# Altium PCB sFMC-98_s3f.PcbDoc (part 1 of 2)
Units mil, origin at the board's own origin, x right, y up, seen from the top; angles counter-clockwise.
Board outline 3125 x 1929.13 mil, 2 copper layers (Top Layer, Bottom Layer); 80 components, 111 nets, 443 pads, 206 vias.
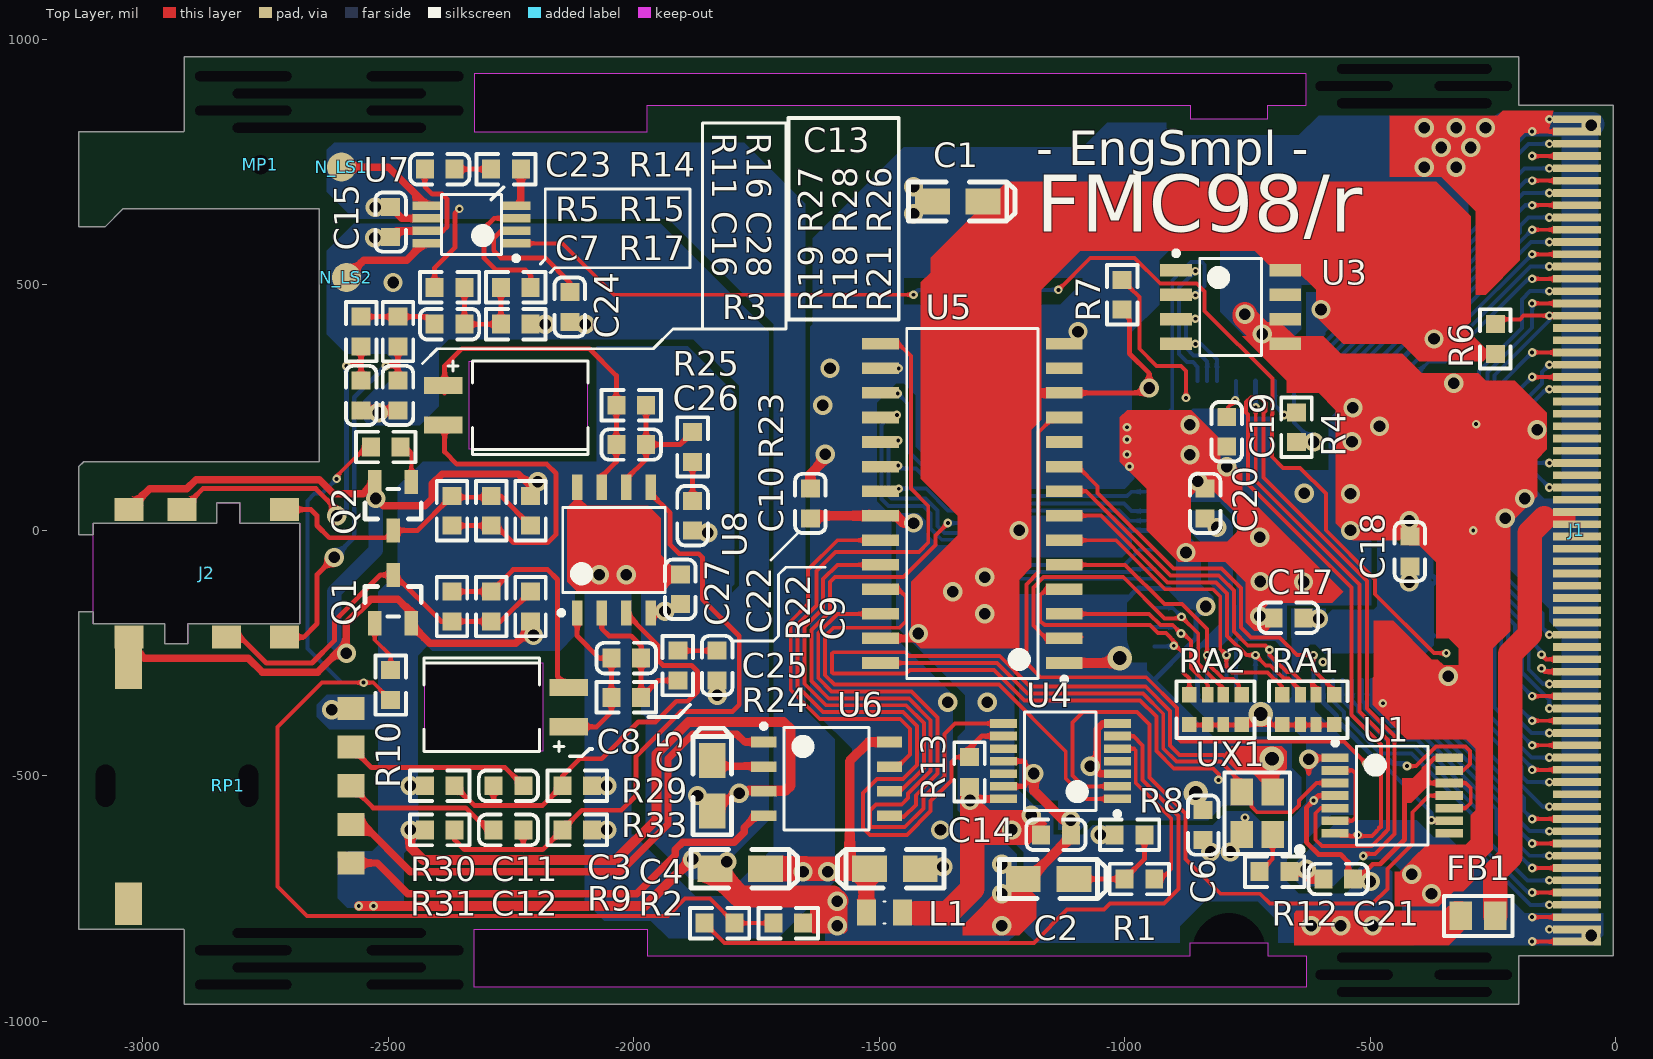
[diagram p0: Top Layer view]
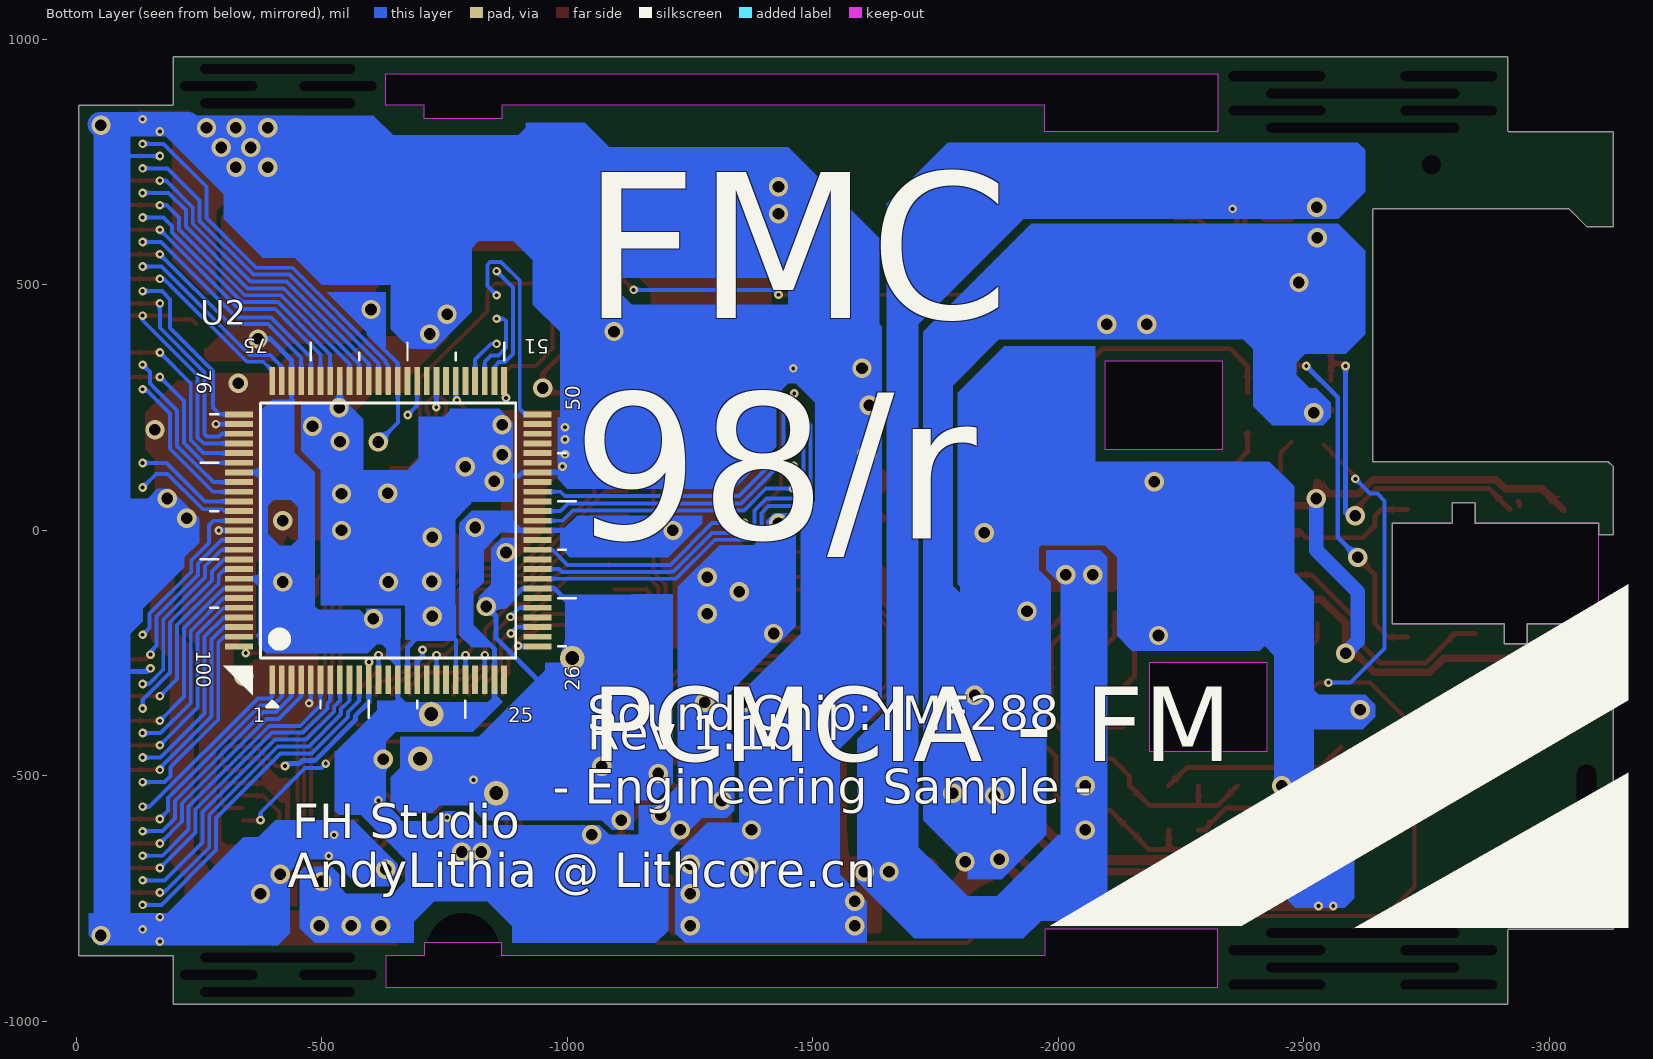
[diagram p1: Bottom Layer view, seen from below]
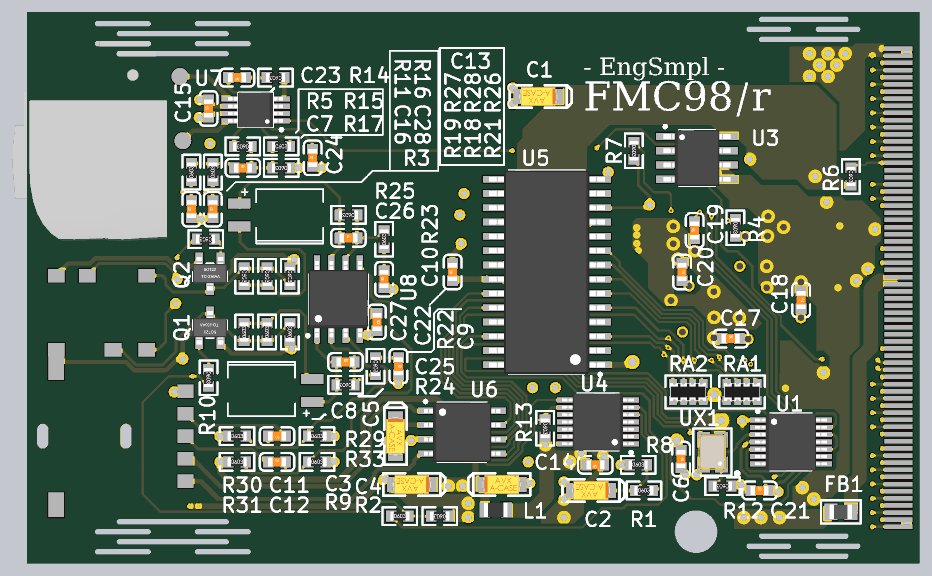
[diagram p3: 3D render of the assembled board from above, using the file's embedded part models]

## Layer stack, top to bottom
Top Solder: solder mask 0.4, Solder Resist, Dk 3.5
Top Layer: signal copper 1.4
Dielectric 1: dielectric 12.6, FR-4, Dk 4.8
Bottom Layer: signal copper 1.4
Bottom Solder: solder mask 0.4, Solder Resist, Dk 3.5

## Board outline
-3130,-406 -3130,-166.1 -3100.98,-166.1 -3100.98,-189.72 -2955.32,-189.72 -2955.32,-231.06 -2908.07,-231.06 -2908.07,-189.72 -2679.72,-189.72 -2679.72,15 -2801.77,15 -2801.77,56.34 -2849.02,56.34 -2849.02,15 -3100.98,15 -3100.98,-8.62 -3130,-8.62 -3130,130 -3120,140 -2640,140 -2640,655 -3040,655 -3076.77,618.23 -3130,618.23 -3130,812.01 -2917.01,812.01 -2915,814.02 -2915,964.57 -196.85,964.57 -196.85,866.14 -5,866.14 -5,-866.14 -196.85,-866.14 -196.85,-964.57 -2915,-964.57 -2915,-814.02 -2917.01,-812.01 -3130,-812.01
cut-out: -2849.02,15 -2849.02,56.34 -2801.77,56.34 -2801.77,15 -2679.72,15 -2679.72,-189.72 -2908.07,-189.72 -2908.07,-231.06 -2955.32,-231.06 -2955.32,-189.72 -3100.98,-189.72 -3100.98,15
cut-out: -2324.45,-930 -2324.45,-812.01 -1972.44,-812.01 -1972.44,-866.14 -866.14,-866.14 -866.14,-840 -708.66,-840 -708.66,-866.14 -630,-866.14 -630,-930
cut-out: -2324.45,930 -2324.45,812.01 -1972.44,812.01 -1972.44,866.14 -866.14,866.14 -866.14,838.58 -708.66,838.58 -708.66,866.14 -630,866.14 -630,930
cut-out: -2095,165 -2335,165 -2335,345 -2095,345
cut-out: -2425,-270 -2185,-270 -2185,-450 -2425,-450

## Design rules (kind name [scope] priority, off if disabled: settings)
Clearance [All] p1: gap=6 ignorepadtopadclearanceinfootprint=FALSE except(0: Arc-Hole Track-Hole SMDPad-Hole THPad-Hole Via-Hole Fill-Hole Poly-Hole Region-Hole Text-Hole)
PolygonConnect [All] p1: connectstyle=Relief reliefconductorwidth=10 reliefentries=4 polygonreliefangle="90 Angle" airgapwidth=10
RoutingVias [All] p1: holewidth=28 width=50 viastyle="Through Hole" minholewidth=28 minwidth=50 maxholewidth=28 maxwidth=50
SolderMaskExpansion [All] p1: expansion=4
Width [All] p1: maxlimit=50 minlimit=4 preferedwidth=8 minimp=50.000000 maximp=50.000000 favimp=50.000000
30 further rules are at their usual default settings.

## Components (designator, comment, footprint, x,y, rotation, side; value= is the part's Value field where it differs from the comment)
C1 "10uF (106) ±10% 16V" CASE-A_3216 -1340,670 r0 top
C2 "10uF (106) ±10% 16V" CASE-A_3216 -1155,-710 r0 top
C3 "10uF (106) ±10% 16V" CASE-A_3216 -1783,-689 r0 top
C4 "10uF (106) ±10% 16V" CASE-A_3216 -1468,-689 r180 top
C5 "10uF (106) ±10% 16V" CASE-A_3216 -1840,-520 r90 top
C6 "100nF (104) 10% 50V" 0603_C -840,-600 r270 top
C7 "47nF (473) 10% 50V" 0603_C -2375,420 r0 top
C8 "Cap Elec" C-RB-4_5MM_Cutout -2202.13,-360 r180 top value=10uF
C9 "100nF (104) 10% 50V" 0603_C -1830,-275 r270 top
C10 "100nF (104) 10% 50V" 0603_C -1880,30 r90 top
C11 "470nF (474) 10% 25V" 0603_C -2255,-520 r180 top
C12 "470nF (474) 10% 25V" 0603_C -2255,-610 r0 top
C13 "Cap Elec" C-RB-4_5MM_Cutout -2317.87,255 r0 top value=10uF
C14 "100nF (104) 10% 50V" 0603_C -1140,-620 r180 top
C15 "1uF (105) 10% 50V" 0603_C -2495,628 r90 top
C16 "100nF (104) 10% 50V" 0603_C -2555,275 r90 top
C17 "100nF (104) 10% 50V" 0603_C -666,-178 r0 top
C18 "100nF (104) 10% 50V" 0603_C -419,-43 r270 top
C19 "100nF (104) 10% 50V" 0603_C -792,201 r90 top
C20 "100nF (104) 10% 50V" 0603_C -836,55 r270 top
C21 "100nF (104) 10% 50V" 0603_C -565,-710 r0 top
C22 "100nF (104) 10% 50V" 0603_C -1640,55 r90 top
C23 "100nF (104) 10% 50V" 0603_C -2395,735.75 r180 top
C24 "1uF (105) 10% 50V" 0603_C -2130,455 r90 top
C25 "100nF (104) 10% 50V" 0603_C -2015,-260 r0 top
C26 "100nF (104) 10% 50V" 0603_C -2005,175 r0 top
C27 "100nF (104) 10% 50V" 0603_C -1905,-120 r270 top
C28 "100nF (104) 10% 50V" 0603_C -2480,275 r90 top
FB1 "100Ω ±25% 100MHz" 0805_L -280,-785 r180 top
J1 "PCMCIA Connector" PCF-SMT-K1 0,0 r270 top locked
J2 "PJK-242S-C" PJK-242S-C -3100.98,-87.36 r0 top
L1 "Bead" L2012X10N_LQW21 -1489,-778 r0 top value=1
MP1 "Speaker Mechanical" ZT097 -2640,135 r90 top
N_LS1 "PAD" Pad -2595,740 r90 top
N_LS2 "PAD" Pad -2585,515 r90 top
Q1 "C945" SOT-23(SOT-23-3) -2490,-140 r270 top
Q2 "C945" SOT-23(SOT-23-3) -2490,49.21 r90 top
R1 "10KΩ (1002) ±1%" 0603_R -970,-710 r0 top
R2 "4.7KΩ (4701) ±1%" 0603_R -1685,-800 r180 top
R3 "10KΩ (1002) ±1%" 0603_R -2505,170 r180 top
R4 "10KΩ (1002) ±1%" 0603_R -650,210 r270 top
R5 "20KΩ (2002) ±1%" 0603_R -2375,495 r180 top
R6 "10KΩ (1002) ±1%" 0603_R -245,390 r270 top
R7 "10KΩ (1002) ±1%" 0603_R -1005,480 r270 top
R8 "47KΩ (4702) ±1%" 0603_R -990,-620 r0 top
R9 "4.7KΩ (4701) ±1%" 0603_R -1825,-800 r0 top
R10 "10KΩ (1002) ±1%" 0603_R -2495,-315 r270 top
R11 "1KΩ (1001) ±1%" 0603_R -2555,405 r90 top
R12 "Optional" 0603_R -694.53,-695 r180 top
R13 "10KΩ (1002) ±1%" 0603_R -1316,-492 r270 top
R14 "150KΩ (1503) ±1%" 0603_R -2260,735.75 r180 top
R15 "150KΩ (1503) ±1%" 0603_R -2240,495 r0 top
R16 "1KΩ (1001) ±1%" 0603_R -2480,405 r90 top
R17 "20KΩ (2002) ±1%" 0603_R -2240,420 r180 top
R18 "68Ω (68R0) ±1%" 0603_R -2290,-155 r90 top
R19 "68Ω (68R0) ±1%" 0603_R -2370,-155 r90 top
R21 "47KΩ (4702) ±1%" 0603_R -2210,-155 r90 top
R22 "10KΩ (1002) ±1%" 0603_R -1910,-275.32 r270 top
R23 "10KΩ (1002) ±1%" 0603_R -1880,170 r90 top
R24 "22KΩ (2202) ±1%" 0603_R -2015,-340 r180 top
R25 "22KΩ (2202) ±1%" 0603_R -2005,255 r180 top
R26 "47KΩ (4702) ±1%" 0603_R -2210,40 r270 top
R27 "68Ω (68R0) ±1%" 0603_R -2370,40 r270 top
R28 "68Ω (68R0) ±1%" 0603_R -2290,40 r270 top
R29 "10KΩ (1002) ±1%" 0603_R -2115,-520 r0 top
R30 "10KΩ (1002) ±1%" 0603_R -2395,-520 r0 top
R31 "10KΩ (1002) ±1%" 0603_R -2395,-610 r0 top
R33 "10KΩ (1002) ±1%" 0603_R -2115,-610 r0 top
RA1 "10KΩ (103) ±5%" 0603_Rx4 -626,-365 r180 top
RA2 "10KΩ (103) ±5%" 0603_Rx4 -815,-365 r180 top
RP1 "RPot ALPS RK10J12R0052" RPot_RK10J12R_ALPS -2930,-520 r90 top
U1 "7474" TSSOP14_TSOP65P640X120-14N -455,-540 r0 top
U2 "Z86017/Z16017" VQFP100_TSQFP50P1600X1600X160-100N -635,0 r90 bottom locked
U3 "ST93C56_C57" "SOIC-8 NB" -784,455 r0 top
U4 "7404" TSSOP14_TSOP65P640X120-14N -1131,-470 r180 top
U5 "YMF288-M SOP28" SOP127P1030X265-28N -1310,55 r180 top locked
U6 "uPD6379A_AL" DMP8_SOIC127P680X175-8N -1607,-506 r0 top
U7 "NS4150" MS8 -2330,623 r180 top
U8 "NJM3414AD/AM/AV" DMP8_SOIC127P680X175-8N -2040,-40 r90 top
UX1 "Crystal OSC" SMD-3225_4P -730,-576 r90 top

## Footprints (in the part's own frame and the unit in brackets; to place one, negate y for a bottom-side part, rotate by r counter-clockwise, add the part's x,y. Pads: shape width x height; smd on the part's side, far side on the other; paste and mask are expansions set on the pad)
0603_C [mm]
  rect 0.93x0.98 smd: 1(-0.77,0) 2(0.77,0)
  silkscreen extent -1.53,-0.79 1.54,0.79, body extent -0.8,-0.4 0.8,0.4, height 0.3
0603_R [mm]
  rect 0.93x0.98 smd: 1(-0.77,0) 2(0.77,0)
  silkscreen extent -1.53,-0.79 1.54,0.79, body extent -0.85,-0.4 0.85,0.4, height 0.56
0603_Rx4 [mm]
  rect 0.75x0.8 smd mask+0.051: 1(-1.35,-0.77) 4(1.35,-0.77) 5(1.35,0.77) 8(-1.35,0.77)
  rect 0.58x0.8 smd mask+0.051: 2(-0.4,-0.77) 3(0.4,-0.77) 6(0.4,0.77) 7(-0.4,0.77)
  silkscreen extent -2.03,-1.47 2.03,1.47, body extent -1.6,-0.8 1.6,0.8, height 0.55
0805_L [mm]
  rect 1.16x1.47 smd: 1(-0.89,0) 2(0.89,0)
  silkscreen extent -1.77,-1.04 1.77,1.03, body extent -1.02,-0.64 1.03,0.64, height 0.6
C-RB-4_5MM_Cutout [mil]
  rect 78.74x35.04 smd: 1(-70,40) 2(-70,-40)
  silkscreen extent -60,-100 225,90, body extent -79,-79 197,79, height 79
CASE-A_3216 [mm]
  rect 1.8x1.35 smd: 1(1.31,0) 2(-1.31,0)
  silkscreen extent -2.54,-1 2.97,1, body extent -1.7,-0.84 1.7,0.84, height 1.71
DMP8_SOIC127P680X175-8N [mm] "SOIC, 8-Leads, Body 5.00x5.00mm, Pitch 1.27mm, IPC Medium Density"
  rect 1.3x0.55 smd: 1(-3.25,1.905) 2(-3.25,0.635) 3(-3.25,-0.635) 4(-3.25,-1.905) 5(3.25,-1.905) 6(3.25,-0.635) 7(3.25,0.635) 8(3.25,1.905)
  silkscreen extent -3.37,-2.65 2.2,2.85, body extent -3.4,-2.65 3.4,2.65, height 1.75
L2012X10N_LQW21 [mm] "Chip Inductor, 2-Leads, Body 2.00x1.20mm, IPC Medium Density, Murata LQW21 Series"
  rect 0.98x1.34 smd: 1(-0.94,0) 2(0.94,0)
  silkscreen extent -0.05,-0.57 0.05,0.57, body extent -1.05,-0.65 1.05,0.65, height 1
MS8 [mm] "8-Lead Plastic MSOP ( Reference LTC DWG # 05-08-1660 )"
  rect 1.5x0.45 smd: 1(-2.3,0.975) 2(-2.3,0.325) 3(-2.3,-0.325) 4(-2.3,-0.975) 5(2.3,-0.975) 6(2.3,-0.325) 7(2.3,0.325) 8(2.3,0.975)
  silkscreen extent -2.43,-1.55 1.55,1.87, body extent -2.44,-1.55 2.44,1.55, height 0.86
Pad [mm]
  round 1.5 smd: 1(0,0)
PCF-SMT-K1 [mm] "PCMCIA Female Single Side SMT"
  rect 0.4x2.5 smd: 1(-21.27,-2) 2(-20,-2) 3(-18.73,-2) 4(-17.46,-2) 5(-16.19,-2) 6(-14.92,-2) 7(-13.65,-2) 8(-12.38,-2) 9(-11.11,-2) 10(-9.84,-2) 11(-8.57,-2) 12(-7.3,-2) 13(-6.03,-2) 14(-4.76,-2) 15(-3.49,-2) 16(-2.22,-2) 17(-0.95,-2) 18(0.32,-2) 19(1.59,-2) 20(2.86,-2) 21(4.13,-2) 22(5.4,-2) 23(6.67,-2) 24(7.94,-2) 25(9.21,-2) 26(10.48,-2) 27(11.75,-2) 28(13.02,-2) 29(14.29,-2) 30(15.56,-2) 31(16.83,-2) 32(18.1,-2) 33(19.37,-2) 34(20.64,-2) 35(-20.635,-2) 36(-19.365,-2) 37(-18.095,-2) 38(-16.825,-2) 39(-15.555,-2) 40(-14.285,-2) 41(-13.015,-2) 42(-11.745,-2) 43(-10.475,-2) 44(-9.205,-2) 45(-7.935,-2) 46(-6.665,-2) 47(-5.395,-2) 48(-4.125,-2) 49(-2.855,-2) 50(-1.585,-2) 51(-0.315,-2) 52(0.955,-2) 53(2.225,-2) 54(3.495,-2) 55(4.765,-2) 56(6.035,-2) 57(7.305,-2) 58(8.575,-2) 59(9.845,-2) 60(11.115,-2) 61(12.385,-2) 62(13.655,-2) 63(14.925,-2) 64(16.195,-2) 65(17.465,-2) 66(18.735,-2) 67(20.005,-2) 68(21.27,-2)
  body extent -23.2,0 23.2,6, height 1.75
PJK-242S-C [mm]
  rect 1.5x1.2 smd: 1(1.85,-3.3) 3(9.9,3.3) 4(6.9,-3.3) 5(4.6,3.3) 6(9.9,-3.3)
  rect 1.5x1.2 smd mask+0.102: 2(1.85,3.3)
  body extent -1.5,-2.9 10.3,2.9, height 2.4
RPot_RK10J12R_ALPS [mm] "Surface Mount Rotary Potentiometer"
  rect 2.2x1.4 smd: 0(-6.1,2.5) 0(6.1,2.5)
  round 0 hole 1 slot 2.2 at 0 deg: 0(0,3.7) 0(0,-3.7)
  rect 1.2x1.4 smd: 1(-4,-9) 2(-2,-9) 3(0,-9) 4(2,-9) 5(4,-9)
  body extent -7,-8.5 7,7, height 2.5
SMD-3225_4P [mm]
  rect 1.4x1.15 smd: 1(-1.1,-0.8) 2(1.1,-0.8) 3(1.1,0.8) 4(-1.1,0.8)
  silkscreen extent -2.1,-2.35 2.1,1.7, body extent -1.6,-1.25 1.6,1.25, height 0.61
"SOIC-8 NB" [mm] "SOIC, 8-Leads, Body 4.90x3.90mm, Pitch 1.27mm, IPC Low Density"
  rect 1.65x0.65 smd: 1(-2.825,1.905) 2(-2.825,0.635) 3(-2.825,-0.635) 4(-2.825,-1.905) 5(2.825,-1.905) 6(2.825,-0.635) 7(2.825,0.635) 8(2.825,1.905)
  silkscreen extent -2.95,-2.5 1.6,2.9, body extent -3,-2.5 3,2.5, height 1.75
SOP127P1030X265-28N [mm] "SOP, 28-Leads, Body 17.90x7.50mm, Pitch 1.27mm, IPC Medium Density"
  rect 1.9x0.6 smd: 1(-4.75,8.255) 2(-4.75,6.985) 3(-4.75,5.715) 4(-4.75,4.445) 5(-4.75,3.175) 6(-4.75,1.905) 7(-4.75,0.635) 8(-4.75,-0.635) 9(-4.75,-1.905) 10(-4.75,-3.175) 11(-4.75,-4.445) 12(-4.75,-5.715) 13(-4.75,-6.985) 14(-4.75,-8.255) 15(4.75,-8.255) 16(4.75,-6.985) 17(4.75,-5.715) 18(4.75,-4.445) 19(4.75,-3.175) 20(4.75,-1.905) 21(4.75,-0.635) 22(4.75,0.635) 23(4.75,1.905) 24(4.75,3.175) 25(4.75,4.445) 26(4.75,5.715) 27(4.75,6.985) 28(4.75,8.255)
  silkscreen extent -4.88,-9.05 3.4,9.23, body extent -5.16,-9.05 5.16,9.05, height 2.65
SOT-23(SOT-23-3) [mm]
  rect 1.25x0.7 smd: 1(1.25,-0.95) 2(1.25,0.95) 3(-1.25,0)
  silkscreen extent -0.65,-1.46 0.9,1.46, body extent -1.5,-1.5 1.5,1.5, height 1.3
TSSOP14_TSOP65P640X120-14N [mm] "TSOP, 14-Leads, Body 5.00x4.40mm, Pitch 0.65mm, IPC Medium Density"
  rect 1.4x0.45 smd: 1(-2.95,1.95) 2(-2.95,1.3) 3(-2.95,0.65) 4(-2.95,0) 5(-2.95,-0.65) 6(-2.95,-1.3) 7(-2.95,-1.95) 8(2.95,-1.95) 9(2.95,-1.3) 10(2.95,-0.65) 11(2.95,0) 12(2.95,0.65) 13(2.95,1.3) 14(2.95,1.95)
  silkscreen extent -3.07,-2.55 1.85,2.85, body extent -3.2,-2.55 3.2,2.55, height 1.2
VQFP100_TSQFP50P1600X1600X160-100N [mm] "TSQFP, 100-Leads, Body 14.00x14.00mm, Pitch 0.50mm, IPC Medium Density"
  rect 1.45x0.3 smd: 1(-7.725,6) 2(-7.725,5.5) 3(-7.725,5) 4(-7.725,4.5) 5(-7.725,4) 6(-7.725,3.5) 7(-7.725,3) 8(-7.725,2.5) 9(-7.725,2) 10(-7.725,1.5) 11(-7.725,1) 12(-7.725,0.5) 13(-7.725,0) 14(-7.725,-0.5) 15(-7.725,-1) 16(-7.725,-1.5) 17(-7.725,-2) 18(-7.725,-2.5) 19(-7.725,-3) 20(-7.725,-3.5) 21(-7.725,-4) 22(-7.725,-4.5) 23(-7.725,-5) 24(-7.725,-5.5) 25(-7.725,-6) 51(7.725,-6) 52(7.725,-5.5) 53(7.725,-5) 54(7.725,-4.5) 55(7.725,-4) 56(7.725,-3.5) 57(7.725,-3) 58(7.725,-2.5) 59(7.725,-2) 60(7.725,-1.5) 61(7.725,-1) 62(7.725,-0.5) 63(7.725,0) 64(7.725,0.5) 65(7.725,1) 66(7.725,1.5) 67(7.725,2) 68(7.725,2.5) 69(7.725,3) 70(7.725,3.5) 71(7.725,4) 72(7.725,4.5) 73(7.725,5) 74(7.725,5.5) 75(7.725,6)
  rect 0.3x1.45 smd: 26(-6,-7.725) 27(-5.5,-7.725) 28(-5,-7.725) 29(-4.5,-7.725) 30(-4,-7.725) 31(-3.5,-7.725) 32(-3,-7.725) 33(-2.5,-7.725) 34(-2,-7.725) 35(-1.5,-7.725) 36(-1,-7.725) 37(-0.5,-7.725) 38(0,-7.725) 39(0.5,-7.725) 40(1,-7.725) 41(1.5,-7.725) 42(2,-7.725) 43(2.5,-7.725) 44(3,-7.725) 45(3.5,-7.725) 46(4,-7.725) 47(4.5,-7.725) 48(5,-7.725) 49(5.5,-7.725) 50(6,-7.725) 76(6,7.725) 77(5.5,7.725) 78(5,7.725) 79(4.5,7.725) 80(4,7.725) 81(3.5,7.725) 82(3,7.725) 83(2.5,7.725) 84(2,7.725) 85(1.5,7.725) 86(1,7.725) 87(0.5,7.725) 88(0,7.725) 89(-0.5,7.725) 90(-1,7.725) 91(-1.5,7.725) 92(-2,7.725) 93(-2.5,7.725) 94(-3,7.725) 95(-3.5,7.725) 96(-4,7.725) 97(-4.5,7.725) 98(-5,7.725) 99(-5.5,7.725) 100(-6,7.725)
  silkscreen extent -9.7,-9.7 9.7,9.7, body extent -8,-8 8,8, height 1.6
ZT097 [mil]
  round 0 hole 39.37 unplated: 0(610,120)
  body extent 0,0 738,541, height 39

## Part data
C1 C2 C3 C4 C5: library part "3216 10uF (106) 10% 16V", "钽电容", Package=3216, SuppliersPartNumber=C7171, ComponentLink1Description=¹©Ó, ComponentLink1URL=http://www.szlcsc.com/product/details_7643.html, Supplier=LC
C6 C9 C10 C14 C16 C17 C18 C19 C20 C21 C22 C23 C25 C26 C27 C28: library part "0603 100nF (104) 10% 50V", "贴片电容", Package=0603, SuppliersPartNumber=C14663, ComponentLink1URL=http://www.szlcsc.com/product/details_15331.html, Supplier=LC
  C6 C9 C10 C14 C16 C17 C18 C19 C20 C21 C22 C23 C25 C26 C27: ComponentLink1Description=¹©Ó
  C28: ComponentLink1Description=供应
C7: library part "0603 47nF (473) 10% 50V", "贴片电容", Package=0603, SuppliersPartNumber=C1622, ComponentLink1Description=供应, ComponentLink1URL=http://www.szlcsc.com/product/details_1974.html, Supplier=LC
C8 C13: library part "Cap Pol3", "Polarized Capacitor (Surface Mount)", LatestRevisionDate=29-May-2009, LatestRevisionNote="IPC-7351 Footprint Added.", PackageDescription="Chip Capacitor", PackageReference=C0805, Published=8-Jun-2000, Publisher="Altium Limited"
C11 C12: library part "0603 470nF (474) 10% 25V", "贴片电容", Package=0603, SuppliersPartNumber=C1623, ComponentLink1Description=¹©Ó, ComponentLink1URL=http://www.szlcsc.com/product/details_1975.html, Supplier=LC
C15 C24: library part "0603 1uF (105) 10% 50V", "贴片电容", Package=0603, SuppliersPartNumber=C15849, ComponentLink1Description=¹©Ó, ComponentLink1URL=http://www.szlcsc.com/product/details_16531.html, Supplier=LC
FB1: library part "0805 100Ω 25% 100MHz", "贴片磁珠", Package=0805, SuppliersPartNumber=C1015, ComponentLink1Description=¹©Ó, ComponentLink1URL=http://www.szlcsc.com/product/details_1367.html, Supplier=LC
J1: library part PCMCIA_Conn
J2: "2.5mm Headphone Jack"
L1: library part Inductor, "Inductor", Code_IEC=1005, Code_JEITA=0402, LatestRevisionDate=29-May-2009, LatestRevisionNote="IPC-7351 Footprint Added.", PackageDescription="Chip Inductor", PackageReference=0402-A, Published=8-Jun-2000, Publisher="Altium Limited"
MP1: library part Mechanical
N_LS1 N_LS2: "Generic Pad"
Q1 Q2: library part "SOT-23 SS8050 Y1", "三极管", Package=SOT-23, SuppliersPartNumber=C2150, ComponentLink1Description=¹©Ó, ComponentLink1URL=http://www.szlcsc.com/product/details_2507.html, Supplier=LC
R1 R3 R4 R6 R7 R10 R12 R13 R22 R23 R29 R30 R31 R33: library part "0603 10KΩ (1002) 1%", "贴片电阻", Package=0603, SuppliersPartNumber=C25804, ComponentLink1Description=¹©Ó, ComponentLink1URL=http://www.szlcsc.com/product/details_26547.html, Supplier=LC
R2 R9: library part "0603 4.7KΩ (4701) 1%", "贴片电阻", Package=0603, SuppliersPartNumber=C23162, ComponentLink1Description=¹©Ó, ComponentLink1URL=http://www.szlcsc.com/product/details_23889.html, Supplier=LC
R5 R17: library part "0603 20KΩ (2002) 1%", "贴片电阻", Package=0603, SuppliersPartNumber=C4184, ComponentLink1Description=供应, ComponentLink1URL=http://www.szlcsc.com/product/details_4591.html, Supplier=LC
R8 R21 R26: library part "0603 47KΩ (4702) 1%", "贴片电阻", Package=0603, SuppliersPartNumber=C25819, ComponentLink1Description=¹©Ó, ComponentLink1URL=http://www.szlcsc.com/product/details_26562.html, Supplier=LC
R11 R16: library part "0603 1KΩ (1001) 1%", "贴片电阻", Package=0603, SuppliersPartNumber=C21190, ComponentLink1Description=供应, ComponentLink1URL=http://www.szlcsc.com/product/details_21904.html, Supplier=LC
R14 R15: library part "0603 150KΩ (1503) 1%", "贴片电阻", Package=0603, SuppliersPartNumber=C22807, ComponentLink1URL=http://www.szlcsc.com/product/details_23534.html, Supplier=LC
  R14: ComponentLink1Description=¹©Ó
  R15: ComponentLink1Description=供应
R18 R19 R27 R28: library part "0603 68Ω (68R0) 1%", "贴片电阻", Package=0603, SuppliersPartNumber=C27592, ComponentLink1Description=¹©Ó, ComponentLink1URL=http://www.szlcsc.com/product/details_28341.html, Supplier=LC
R24 R25: library part "0603 22KΩ (2202) 1%", "贴片电阻", Package=0603, SuppliersPartNumber=C31850, ComponentLink1Description=¹©Ó, ComponentLink1URL=http://www.szlcsc.com/product/details_32812.html, Supplier=LC
RA1 RA2: library part "0603*4  10KΩ (103) 5%", "贴片排阻", Package=0603*4, SuppliersPartNumber=C29718, ComponentLink1Description=¹©Ó, ComponentLink1URL=http://www.szlcsc.com/product/details_30472.html, Supplier=LC
RP1: library part RPot_ALPS_C2, "ALPS Taper Type C, Dual Unit"
U1: library part 7474_J_N_1, "Dual D-Type Positive-Edge-Triggered Flip-Flops With Preset And Clear"
U2: library part ZX6017
U3: "2K (128 x 16 or 256 x 8) SERIAL MICROWIRE EEPROM"
U4: library part 7404_J_N_1, "Hex Inverter"
U5: library part YMF288_M
U6: "2-CHANNEL 16-BIT D/A CONVERTER FOR AUDIO APPLICATION"
U7: "超低 EMI、无需滤波器、3W 单声道 D 类音频功放"
U8: library part NJM3414AD_AM_AV_1, "Single-Supply Dual High Current Operational Amplifier"
UX1: library part XTAL_OSC, Freq=7.98MHz

## Free pads (board coordinates)
  rect 0x0 hole 19.68 slot 393.7 at 0 deg unplated: 2(-2620,-890) 2(-2620,-820) 2(-2620,820) 2(-2620,890)
  rect 0x0 hole 19.68 slot 196.85 at 0 deg unplated: 3(-2795,-925) 3(-2795,-855) 3(-2795,855) 3(-2795,925) 3(-2445,-925) 3(-2445,-855) 3(-2445,855) 3(-2445,925)
  rect 0x0 hole 19.68 slot 157.48 at 0 deg unplated: 3(-532.6,-905) 3(-532.6,905) 3(-290,-905) 3(-290,905)
  rect 0x0 hole 19.68 slot 314.96 at 0 deg unplated: 3(-410,-940) 3(-410,-870) 3(-410,870) 3(-410,940)
  round 0 hole 149.61 unplated: 5(-787.4,-854.33)

## Via types
v1: diameter 39.37, hole 23.62, Top Layer to Bottom Layer, 106 vias
v2: diameter 17.72, hole 7.87, Top Layer to Bottom Layer, 96 vias
v3: diameter 50, hole 28, Top Layer to Bottom Layer, 4 vias

## Nets (pads, with @x,y where several pads share a name; then routed paths per layer and width w, separated by ;. In a path a pad name is that pad's centre, name@x,y a point inside that pad or via, vN(x,y) a via of type N, cw(c..) or ccw(c..) an arc to the next point about the centre after c; other vN are vias at no path point)
5V: C1.1 C6.2 C14.2 C17.2 C18.2 C20.2 C21.2 C22.1 FB1.2 L1.2 R4.2 R6.2 R7.2 R8.1 R13.2 RA1.5 RA1.6 RA1.7 RA1.8 RA2.5 RA2.6 RA2.7 RA2.8 U1.1 U1.4 U1.10 U1.12 U1.14 U2.14 U2.24 U2.38 U2.62 U2.73 U2.82 U2.93 U3.8 U4.14 U5.12 U5.22 U5.27 UX1.4 | length 4761.6
  Top Layer w7.99: RA2.5@-874.15,-396.32 -641.75,-396.32 -573.85,-396.32 RA1.8@-572.85,-395.32
  Top Layer w8: U1.10@-338.86,-565.59 -305.59,-565.59 -295,-555 -295,-525 -305.59,-514.41 U1.12@-338.86,-514.41
  Top Layer w10: U5.12@-1122.99,280 -960,280 v1(-950,290) -950,320 -990,360 -990,430 R7.2@-1005,445 ; -625,-495 -625,-480 -608.23,-463.23 U1.1@-571.14,-463.23 ; U1.4@-571.14,-540 -605,-540 v2(-615,-550) -630,-565 -630,-635 -605,-660 -560,-660 -544.31,-675.69 -544.31,-700.37 C21.2@-534.69,-710 -529.84,-714.84 -495,-680 -480,-680 -430,-630 -430,-535 -402.58,-507.58 -384.24,-507.58 ; U1.12@-338.86,-514.41 -377.42,-514.41 -384.24,-507.58 ; U1.14@-338.86,-463.23 -368.2,-463.23 -390,-485.02 -390,-501.83 -384.24,-507.58
  Top Layer w15: U5.27@-1522.6,-220 U5.27@-1497.01,-220 -1430,-220 v1(-1420,-210) ; v1(-1315,-550) -1311.77,-546.77 U4.14@-1247.14,-546.77
  Top Layer w20: C22.1@-1640,24.68 -1634.68,30 U5.22@-1522.6,30 ; U5.22@-1520,32.68 -1517.32,30 -1465,30 -1450,15 v1(-1430,15) ; -1205,280 U5.12@-1122.99,280
  Top Layer w50: -1425,-780 -1360,-780 -1310,-730 -1310,-595
  Bottom Layer w8: v2(-755,-585) -754,-585 -736,-603 -668,-603 v2(-615,-550) ; v1(-615,180) -654.69,219.68 U2.62@-654.69,304.13 -654.69,340.32 -595,400 v1@-595,440 ; -441,266 -440,265 ; -440,245 -440,265 ; U2.73@-438.15,304.13 -438.15,268.85 -440,267 -440,265 ; -366.89,118.11 -377,128.22 -377,240 -400,263 -438,263 -440,265
  Bottom Layer w10: -1020,0 U2.38@-939.13,0 -878.4,0 -877.71,0.69 -852.29,0.69 -851.6,0 -825,0 -825,-103 -804.31,-123.69 -804.31,-194.31 -851.86,-241.86 -851.86,-303.81 U2.24@-851.54,-304.13 -851.54,-342.46 -840,-354 -669,-354 -654.69,-339.68 U2.14@-654.69,-304.13 -654.69,-273.68 -636,-255 -636,-231 -632,-227 -383.41,-227 -370.41,-214 ; v1(-625,-466) -625,-515 -615,-525 v2(-615,-550) ; U2.73@-438.15,304.13 -438.15,346.85 -395,390 v1(-370,390) ; -384,-131 -384,-121.24 -364.38,-101.62 -367.57,-98.43 ; U2.93@-330.87,-98.43 -367.57,-98.43 ; U2.82@-330.87,118.11 -366.89,118.11 -376,109 -376,-90 -367.57,-98.43
  other v1: -620,-805 -560,-805 -495,-805 -500,-715 -825,-655 -785,-655 -1050,-620 -1230,-610 -1190,-580 -1280,-350 -605,-180 -1285,-170 -1350,-125 -420,-105 -1285,-95 -1215,0 -812,6 -600,450
  other v3: -723,-374
5V_RAW: FB1.1 J1.17 J1.51 | length 855.1
  Top Layer w7.99: J1.51@-81.34,15 J1.51@-78.74,12.4
  Top Layer w50: FB1.1@-244.96,-785 -244.96,-695.04 -245,-695 -215,-665 -215,-251.03 -175,-211.03 -175,-5 -145,25
A5V: C3.1 C4.1 C15.2 C27.1 L1.1 R5.2 R29.2 R33.2 U6.8 U7.6 U8.8 | length 912.2
  Top Layer w10: R5.2@-2405.32,495 -2405.32,534.68 -2364,576 -2364,646 v2(-2355,655)
  Top Layer w15: C15.2@-2495,658.31 -2472.48,635.79 U7.6@-2420.55,635.79 ; -2115,60 U8.8@-2115,87.95
  Top Layer w20: -1560,-689 -1560,-470 -1521,-431 U6.8@-1479.05,-431
  Top Layer w30: L1.1@-1526.01,-778 C4.1@-1526.01,-695.43
  Top Layer w50: C3.1@-1731.43,-689 -1560,-689 C4.1@-1519.57,-689 C4.1@-1526.01,-695.43
  other v1: -1655,-695 -1605,-695 -2055,-610 -2055,-520 -2070,-90 -2015,-90 -2526.1,658.21
ATA_A0: U2.40 U5.20 | length 563.7
  Bottom Layer w8: v2(-1461,132) -1461,126 -1425.2,126 -1354.2,55 -1001.26,55 -985.63,39.37 U2.40@-939.13,39.37
ATA_A1: U2.39 U5.21 | length 547.9
  Bottom Layer w8: v2(-1460,85) -1404,85 -1360,41 -1011,41 -989.69,19.68 U2.39@-939.13,19.68
ATA_C\S\: U2.42 U5.17 | length 669.5
  Bottom Layer w8: v2(-1462,279) -1440,257 -1440,160.6 -1349.4,70 -995,70 -986.26,78.74 U2.42@-939.13,78.74
ATA_D0: RA2.2 U2.30 U5.2 | length 790.6
  Top Layer w7.99: U5.2@-1097.4,-220 U5.2@-1122.99,-220 -1160,-220 -1186,-194 -1186,-116 -1165,-95 -1002.8,-95 -918.8,-179 v2@-884,-179 ; U5.2@-1097.4,-217 U5.2@-1088,-217 ; v2(-884,-176) -850,-210 -850,-245.34 -850.85,-246.19 -850.85,-270.93 -804.8,-316.99 -803.01,-316.99 -799.25,-320.75 RA2.2@-799.25,-334.69
  Bottom Layer w8: U2.30@-939.13,-157.48 -902.52,-157.48 v2(-884,-176)
ATA_D1: RA2.3 U2.28 U5.3 | length 464.2
  Top Layer w7.99: U5.3@-1122.99,-170 -950,-170 -927.01,-192.99 -902.01,-192.99 v2(-885,-210) -880,-210 -864.85,-225.15 -864.85,-280.15 -830.75,-314.25 RA2.3@-830.75,-334.69
  Bottom Layer w8: U2.28@-939.13,-196.85 -898.15,-196.85 v2(-885,-210)
ATA_D2: RA2.4 U2.26 U5.4 | length 583.7
  Top Layer w7.99: U5.4@-1097.4,-120 U5.4@-1122.99,-120 -1160,-120 -1172.01,-132.01 -1172.01,-184.33 -1164.53,-191.81 -1163.19,-191.81 -1162,-193 -948.21,-193 -932.21,-209 -916.07,-209 v2@-895.04,-230.04 ; U5.4@-1096.7,-120.7 U5.4@-1096,-120 ; v2(-900,-235) -895,-235 -880,-250 -880,-290 -868.15,-301.85 RA2.4@-868.15,-334.68
  Bottom Layer w8: U2.26@-939.13,-236.22 v2@-900,-236.22
ATA_D3: RA2.1 U2.23 U5.5 | length 568.4
  Top Layer w7.99: U5.5@-1122.99,-70 -999,-70 -919,-150 -883,-150 -832,-201 v2(-832,-254) -832,-270 -799,-303 -779,-303 -767.85,-314.15 RA2.1@-767.85,-335.69
  Bottom Layer w8: v2(-832,-254) -831.85,-254.15 U2.23@-831.85,-304.13
ATA_D4: RA1.4 U2.21 U5.6 | length 710.3
  Top Layer w7.99: U5.6@-1122.99,-20 -1018,-20 -918.2,-119.8 -820,-119.8 -805.32,-134.48 -805.32,-241.31 v2(-792.63,-254) -792.63,-277.37 -781,-289 -709.27,-289 -693.41,-304.86 -692.14,-304.86 -679.15,-317.85 RA1.4@-679.15,-334.69
  Bottom Layer w8: U2.21@-792.48,-304.13 v2@-792.48,-254.15
ATA_D5: RA1.3 U2.18 U5.7 | length 737.6
  Top Layer w7.99: U5.7@-1122.99,30 -1048.21,30 -912.41,-105.81 -814.2,-105.81 -791.33,-128.68 -791.33,-214.67 -752,-254 v2(-733.57,-254) -712.57,-275 -703.47,-275 -687.61,-290.86 -686.34,-290.86 -675.2,-302 -666,-302 -641.75,-326.25 RA1.3@-641.75,-334.69
  Bottom Layer w8: U2.18@-733.43,-304.13 v2@-733.43,-254.15
ATA_D6: RA1.2 U2.16 U5.8 | length 817.3
  Top Layer w7.99: U5.8@-1122.99,80 -1078.42,80 -906.61,-91.81 -808.41,-91.81 -804.31,-95.91 ; -804.2,-95.8 -777.33,-122.67 -777.33,-206.04 -749.23,-234.14 -714.06,-234.14 -705.2,-243 v2(-705,-243) -705,-253.67 -681.81,-276.86 -680.54,-276.86 -669.4,-288 -659.33,-288 -640.2,-307.13 -622.87,-307.13 -610.25,-319.75 RA1.2@-610.25,-334.69
  Bottom Layer w10: v2(-705,-243) -705,-256 -696.41,-264.59 ; -695,-266 -696.41,-264.59 ; U2.16@-694.06,-304.13 -694.06,-264.59 -696.41,-264.59
ATA_D7: RA1.1 U2.12 U5.9 | length 870.5
  Top Layer w7.99: U5.9@-1122.99,130 -1095,130 -1055,90 -1055,76.36 -900.81,-77.82 -802.39,-77.82 -763.34,-116.87 -763.34,-197.4 -742.6,-218.14 -684.86,-218.14 -649,-254 v2(-615.46,-254) -616,-254.54 -616,-283 -572.85,-326.15 RA1.1@-572.85,-334.69
  Bottom Layer w8: U2.12@-615.31,-304.13 v2@-615.31,-254.15
ATA_IRQ: U2.36 U4.8 | length 1983.2
  Top Layer w7.99: -1447.83,-603.83 -1515.38,-603.83 -1519,-600.2 -1519,-570.4 -1506.6,-558 -1454,-558 -1441,-545 -1441,-535.58 -1395.02,-489.6 -1395.02,-386.61 -1439.61,-342.02 -1602.56,-342.02 -1638.02,-306.56 -1638.02,-203.02 -1600,-165 -1600,-105 -1590,-95 -1450.21,-95 -1385,-29.79 -1385,-10 v2(-1360,15)
  Top Layer w8: -1447.83,-603.83 -1410,-566 -1410,-544.16 -1367.03,-501.19 -1367.03,-415.03 -1345.23,-393.23 U4.8@-1247.14,-393.23
  Bottom Layer w8: v2(-1360,15) -1295,15 -1210,-70 -1000,-70 -969.37,-39.37 U2.36@-939.13,-39.37
ATA_R\D\: U2.34 U5.19 | length 753.6
  Bottom Layer w8: v2(-1461,183) -1472,183 -1481,174 -1481,71 -1475,65 -1405.2,65 -1381,40.8 -1381,9.33 -1366.67,-5 -1294.8,-5 -1215.8,-84 -1210,-84 ; -1210,-84.43 -989.2,-84.43 -983.52,-78.74 U2.34@-939.13,-78.74
ATA_W\R\: U2.33 U5.18 | length 831.8
  Bottom Layer w8: v2(-1464,235) -1475,235 -1495,215 -1495,64.14 -1480.86,50 -1410,50 -1395,35 -1395,3.53 -1372.47,-19 -1300.6,-19 -1221.6,-98 -1220.43,-98 -1220,-98.43 U2.33@-939.13,-98.43
GND: C1.2 C2.2 C3.2 C4.2 C5.2 C6.1 C9.2 C10.1 C14.1 C15.1 C16.1 C17.1 C18.1 C19.1 C20.1 C21.1 C22.2 C23.2 C24.1 C27.2 C28.1 J1.1 J1.34 J1.35 J1.36 J1.57 J1.67 J1.68 J2.1 J2.2 Q1.2 Q2.2 R2.1 R12.1 R17.1 R21.1 R26.1 R30.1 R31.1 RP1.0@-3028.43,-279.84 RP1.5 U1.7 U2.5 U2.15 U2.20 U2.32 U2.44 U2.68 U2.77 U2.88 U3.5 U3.6 U4.3 U4.7 U4.11 U4.13 U5.1 U5.14 U5.16 U6.3 U7.7 U8.4 UX1.2 | length 14858.1
  Top Layer w7.99: v2@-808,-503 -808,-497 -820,-485 -900,-485 -935.32,-449.68 -935.32,-379.26 -968.6,-345.98 -1204.02,-345.98 -1266.01,-283.99 -1437.18,-283.99 -1445,-291.81 -1593.19,-291.81 -1596.04,-288.96 -1596.04,-251.04 -1593.19,-248.19 -1446.81,-248.19 -1438.99,-256.01 -1254.42,-256.01 -1192.43,-318 -957,-318 -907.33,-367.67 -907.33,-438.09 -888.42,-457 -799.2,-457 -768.2,-488 -740.44,-488 -698.5,-529.93 UX1.2@-698.5,-532.69 ; U1.7@-560.14,-622.77 -496.56,-622.77 -486.98,-613.19 -486.98,-612.61 -481.98,-607.61 ; v2(-514,-663) -509.63,-658.63 -490,-658.63 -450,-618.63 -450,-418.37 -506,-362.37 -506,-103.37 -717,107.63 -717,238.92 -713.14,242.77 -713.14,259.23 -724.77,270.86 -743.14,270.86 -752.86,261.14 -752.86,239.86 -749,236 -749,94.37 -538,-116.63 -538,-375.63 -477.98,-435.64 -477.98,-603.62 -481.98,-607.61 ; -481.98,-605.35 -481.98,-607.61 ; v2(-170,-837.4) J1.68@-78.74,-837.4 ; v2(-170,-787.6) J1.67@-78.74,-787.6 ; v2(-170,762.4) J1.36@-78.74,762.4 ; v2(-170,812.4) J1.35@-78.74,812.4
  Top Layer w10: C23.2@-2425.31,735.75 -2425.31,700.31 -2410,685 -2390.23,685 -2380,674.77 -2380,618.86 -2388.66,610.2 U7.7@-2420.55,610.2 ; U4.13@-1247.14,-521.18 -1204.18,-521.18 -1203,-520 -1203,-471 -1204,-470 U4.11@-1247.14,-470 ; v1(-420,20) -400,0 v2(-290,0) ; v2(-151,-281) -144.4,-287.6 J1.57@-78.74,-287.6
  Top Layer w15: J2.1@-3047.17,-209.92 -3033.98,-223.11 -2997.09,-260 -2785,-260 -2756.5,-288.5 -2643.5,-288.5 -2585,-230 ; J2.2@-3028.15,42.56 -2985.71,85 -2910,85 -2891.5,103.5 -2639.71,103.5 -2611.21,75 -2550.83,75 Q2.2@-2527.4,98.43 -2527.4,67.4 v1(-2525,65) -2510,50 -2425,50 -2410,65 -2410,95 -2390,115 -2235,115 -2210,90 R26.1@-2210,70.31 ; v1(-2585,-250) -2585,-230 ; C16.1@-2555,244.68 C28.1@-2480,244.68 ; C15.1@-2495,597.68 -2482.48,610.2 U7.7@-2420.55,610.2 ; R21.1@-2210,-185.31 -2210,-200 -2240,-230 -2415,-230 -2452.6,-192.4 Q1.2@-2452.6,-189.21 -2452.6,-167.4 -2480,-140 -2535.67,-140 -2585,-189.33 -2585,-230 ; U8.4@-1965,-167.95 v1@-1939.37,-167.95 ; C5.2@-1838,-560.57 -1820.57,-560.57 -1790,-530 -1765,-530 ; U4.3@-1014.86,-495.59 -1049.41,-495.59 -1055.92,-489.08 -1055.92,-404.37 -1044.78,-393.23 U4.7@-1014.86,-393.23
  Top Layer w20: v2(-2560,-765) v2(-2530,-765) -1976.77,-765 -1891.5,-679.73 -1891.5,-671.5 -1890,-670 v1(-1880,-670) ; v1(-2455,-610) -2455,-645 -2428.5,-671.5 -2036.5,-671.5 -1953.5,-588.5 -1953.5,-455.27 -1888.23,-390 -1695,-390 -1680,-405 -1680,-520 -1690,-530 -1765,-530 ; C22.2@-1640,85.32 -1640,115 -1610,145 v1(-1610,155) ; C2.2@-1206.57,-710 -1195,-710 -1109.68,-624.69 C14.1@-1109.68,-620 ; v1(-1185,-495) -1185,-530 -1125,-590 v1(-1110,-590) ; U5.1@-1097.4,-270 -1020,-270 v3(-1010,-260) ; R12.1@-665,-695 R12.1@-664.21,-695 -635,-695 -620,-710 C21.1@-595.31,-710
  Top Layer w45: C3.2@-1834.57,-695.43 -1784.31,-745.69 -1594.31,-745.69 v1(-1585,-755)
  Top Layer w50: C3.2@-1834.57,-695.43 C3.2@-1834.57,-689 ; v1(-755,440) -755,435 v1(-720,400) -692.78,400 U3.5@-672.78,380
  Bottom Layer w7.99: U2.77@-330.87,216.54 v2(-284,216.54) ; v2(-170,762.4) -92.4,762.4
  Bottom Layer w8: U2.20@-773,-318 U2.20@-773,-303.93 ; U2.20@-772.8,-304.13 -772.8,-223.14 ; -769.65,-220 -763.34,-213.69 -763.34,-143.34 v1(-724,-104) ; U2.5@-477.52,-304.13 -477.52,-348.48 v2(-474,-352)
  Bottom Layer w10: -1008.11,118.11 U2.44@-939.13,118.11 -908.81,118.11 -901.85,111.15 -862.15,111.15 v1(-851,100) -787,100 -775,88 -747,88 ; v3@-998,-267 -999.89,-265.11 -999.89,-144.89 -973.11,-118.11 U2.32@-939.13,-118.11 -908.81,-118.11 -871.92,-155 v1(-835,-155) -855,-175 -855,-220 -955,-320 ; U2.20@-773,-303.93 U2.20@-772.8,-304.13 ; -769.65,-220 -692,-220 -674.37,-237.63 U2.15@-674.37,-304.13 ; U2.68@-536.57,304.13 -536.57,251.57 v1(-535,250) ; v2(-525,-620) -525,-652 v2(-514,-663) ; U2.88@-330.87,0 v2(-290,0) ; v2(-151,-281) -145,-287 -61,-287 -60,-288
  Bottom Layer w30: v1(-2585,-250) -2610,-225 -2610,-125 -2525,-40 v1(-2525,65) ; v1(-2455,-610) v1(-2455,-520) -2455,-300
  Bottom Layer w50: -2577.72,-677.48 -2522.48,-677.48 v1(-2455,-610) ; v1(-1880,-670) -1880,-550 v1(-1870,-540) -1850,-520 ; -227.74,827.26 -47.74,827.26 v1(-50,825) -60,815 -60,-288 -60,-790
  other v1: -50,-825 -1585,-805 -1250,-805 -1250,-740 -375,-740 -415,-700 -630,-690 -1370,-685 -1250,-680 -1810,-675 -1375,-610 -1785,-535 -1070,-480 -2615,-365 -1360,-350 -1830,-335.43 -341,-297 -2204,-214 -725,-175 -1936.1,-164.69 -635.59,-105 -875,-45 -725,-14 -1848.9,-5 -540,0 -225,25 -185,65 -634,75.41 -540,75 -2195,99 -792,130 -867,154 -537,181 -160,205 -481,212 -867,215 -2520,240 -1615,255 -330,300 -1600,330 -1095,405 -2180,420 -2098.9,420 -2490,505 -2527.2,595.99 -1430,645 -1430,700 -390,740 -325,740 -355,780 -295,780 -390,820 -325,820 -265,820
  other v2: -135,-812.6 -809,-508 -990,130 -995,155 -995,185 -995,210 -1460,330 -135,837.4
  other v3: -855,-535 -700,-465
NetC2_1: C2.1 R1.1 R8.2 | length 209.9
  Top Layer w10: C2.1@-1103.43,-710 R1.1@-1000.31,-710 -959.68,-669.37 R8.2@-959.68,-620
NetC5_1: C5.1 U6.2 | length 117.4
  Top Layer w7.99: U6.2@-1734.95,-480 U6.2@-1729.95,-480
  Top Layer w15: C5.1@-1838,-457.43 -1815.43,-480 U6.2@-1734.95,-480
NetC7_1: C7.1 R11.2 R16.2 | length 156
  Top Layer w10: R11.2@-2555,435.32 R16.2@-2480,435.32 -2420.63,435.32 C7.1@-2405.32,420
NetC7_2: C7.2 R5.1 R15.1 R17.2 | length 224.4
  Top Layer w10: R5.1@-2344.69,495 C7.2@-2344.68,420 R17.2@-2270.32,420 R15.1@-2270.31,495
NetC8_1: C8.1 C25.1 R24.2 U8.1 | length 344.6
  Top Layer w10: C8.1@-2132.13,-400 -2075.32,-400 -2045.32,-370 R24.2@-2045.32,-340 C25.1@-2045.32,-260 -2070,-260 -2115,-215 U8.1@-2115,-167.95
NetC8_2: C8.2 R18.2 R19.2 | length 471.3
  Top Layer w10: R19.2@-2370,-124.68 R18.2@-2290,-124.68 -2245.32,-80 -2175,-80 -2155,-100 -2155,-297.13 C8.2@-2132.13,-320
NetC9_1: C9.1 R22.1 | length 80.1
  Top Layer w10: R22.1@-1910,-245 -1830.32,-245 C9.1@-1830,-244.68
NetC10_2: C10.2 R23.1 | length 79.4
  Top Layer w10: C10.2@-1880,60.32 R23.1@-1880,139.69
NetC11_1: C11.1 RP1.4 | length 383.6
  Top Layer w10: RP1.4@-2575.67,-441.26 -2533.93,-483 -2261.68,-483 C11.1@-2224.68,-520
NetC11_2: C11.2 R29.1 R30.2 U8.3 | length 913.1
  Top Layer w10: R30.2@-2364.68,-520 -2324.68,-560 -2285,-560 ; C11.2@-2285.32,-520 -2285.32,-559.69 -2285,-560 ; U8.3@-2015,-167.95 -1995,-187.95 -1995,-189.93 -1950,-234.93 -1950,-265 -1940,-275 -1882.03,-275 -1870,-287.03 -1870,-327.99 -1890,-347.99 -1912.99,-347.99 -1955,-390 -1990,-390 -2065,-465 -2110,-465 -2145.31,-500.31 R29.1@-2145.31,-520 -2185.31,-560 -2285,-560
NetC12_1: C12.1 RP1.3 | length 327.6
  Top Layer w10: RP1.3@-2575.67,-520 -2530.67,-565 -2342.31,-565 -2297.31,-610 C12.1@-2285.32,-610
NetC12_2: C12.2 R31.2 R33.1 U8.5 | length 1378.9
  Top Layer w10: R31.2@-2364.68,-610 -2364.68,-630.32 -2345,-650 -2225,-650 ; -2224.68,-630.61 C12.2@-2224.68,-610 -2225,-610.32 -2225,-650 ; U8.5@-1965,87.95 -1965,75 -1925.83,35.83 -1925.83,-29.17 -1907.5,-47.5 -1867.5,-47.5 -1860,-55 -1860,-140 -1785,-215 -1785,-355 -1799,-369 -1904,-369 -1995,-460 -1995,-540 -2025,-570 -2105.31,-570 R33.1@-2145.31,-610 -2185.31,-650 -2225,-650
NetC13_1: C13.1 C26.1 R25.2 U8.7 | length 681.5
  Top Layer w10: C13.1@-2385,280 -2385,335 -2350,370 -2090,370 -2035.32,315.32 R25.2@-2035.32,255 C26.1@-2035.32,175 -2035.32,139.68 -2065,110 U8.7@-2065,87.95